# Altium PCB 6502_CPU_MainBoard_PCB_V1_2_x.PcbDoc (part 2 of 4) (continued)
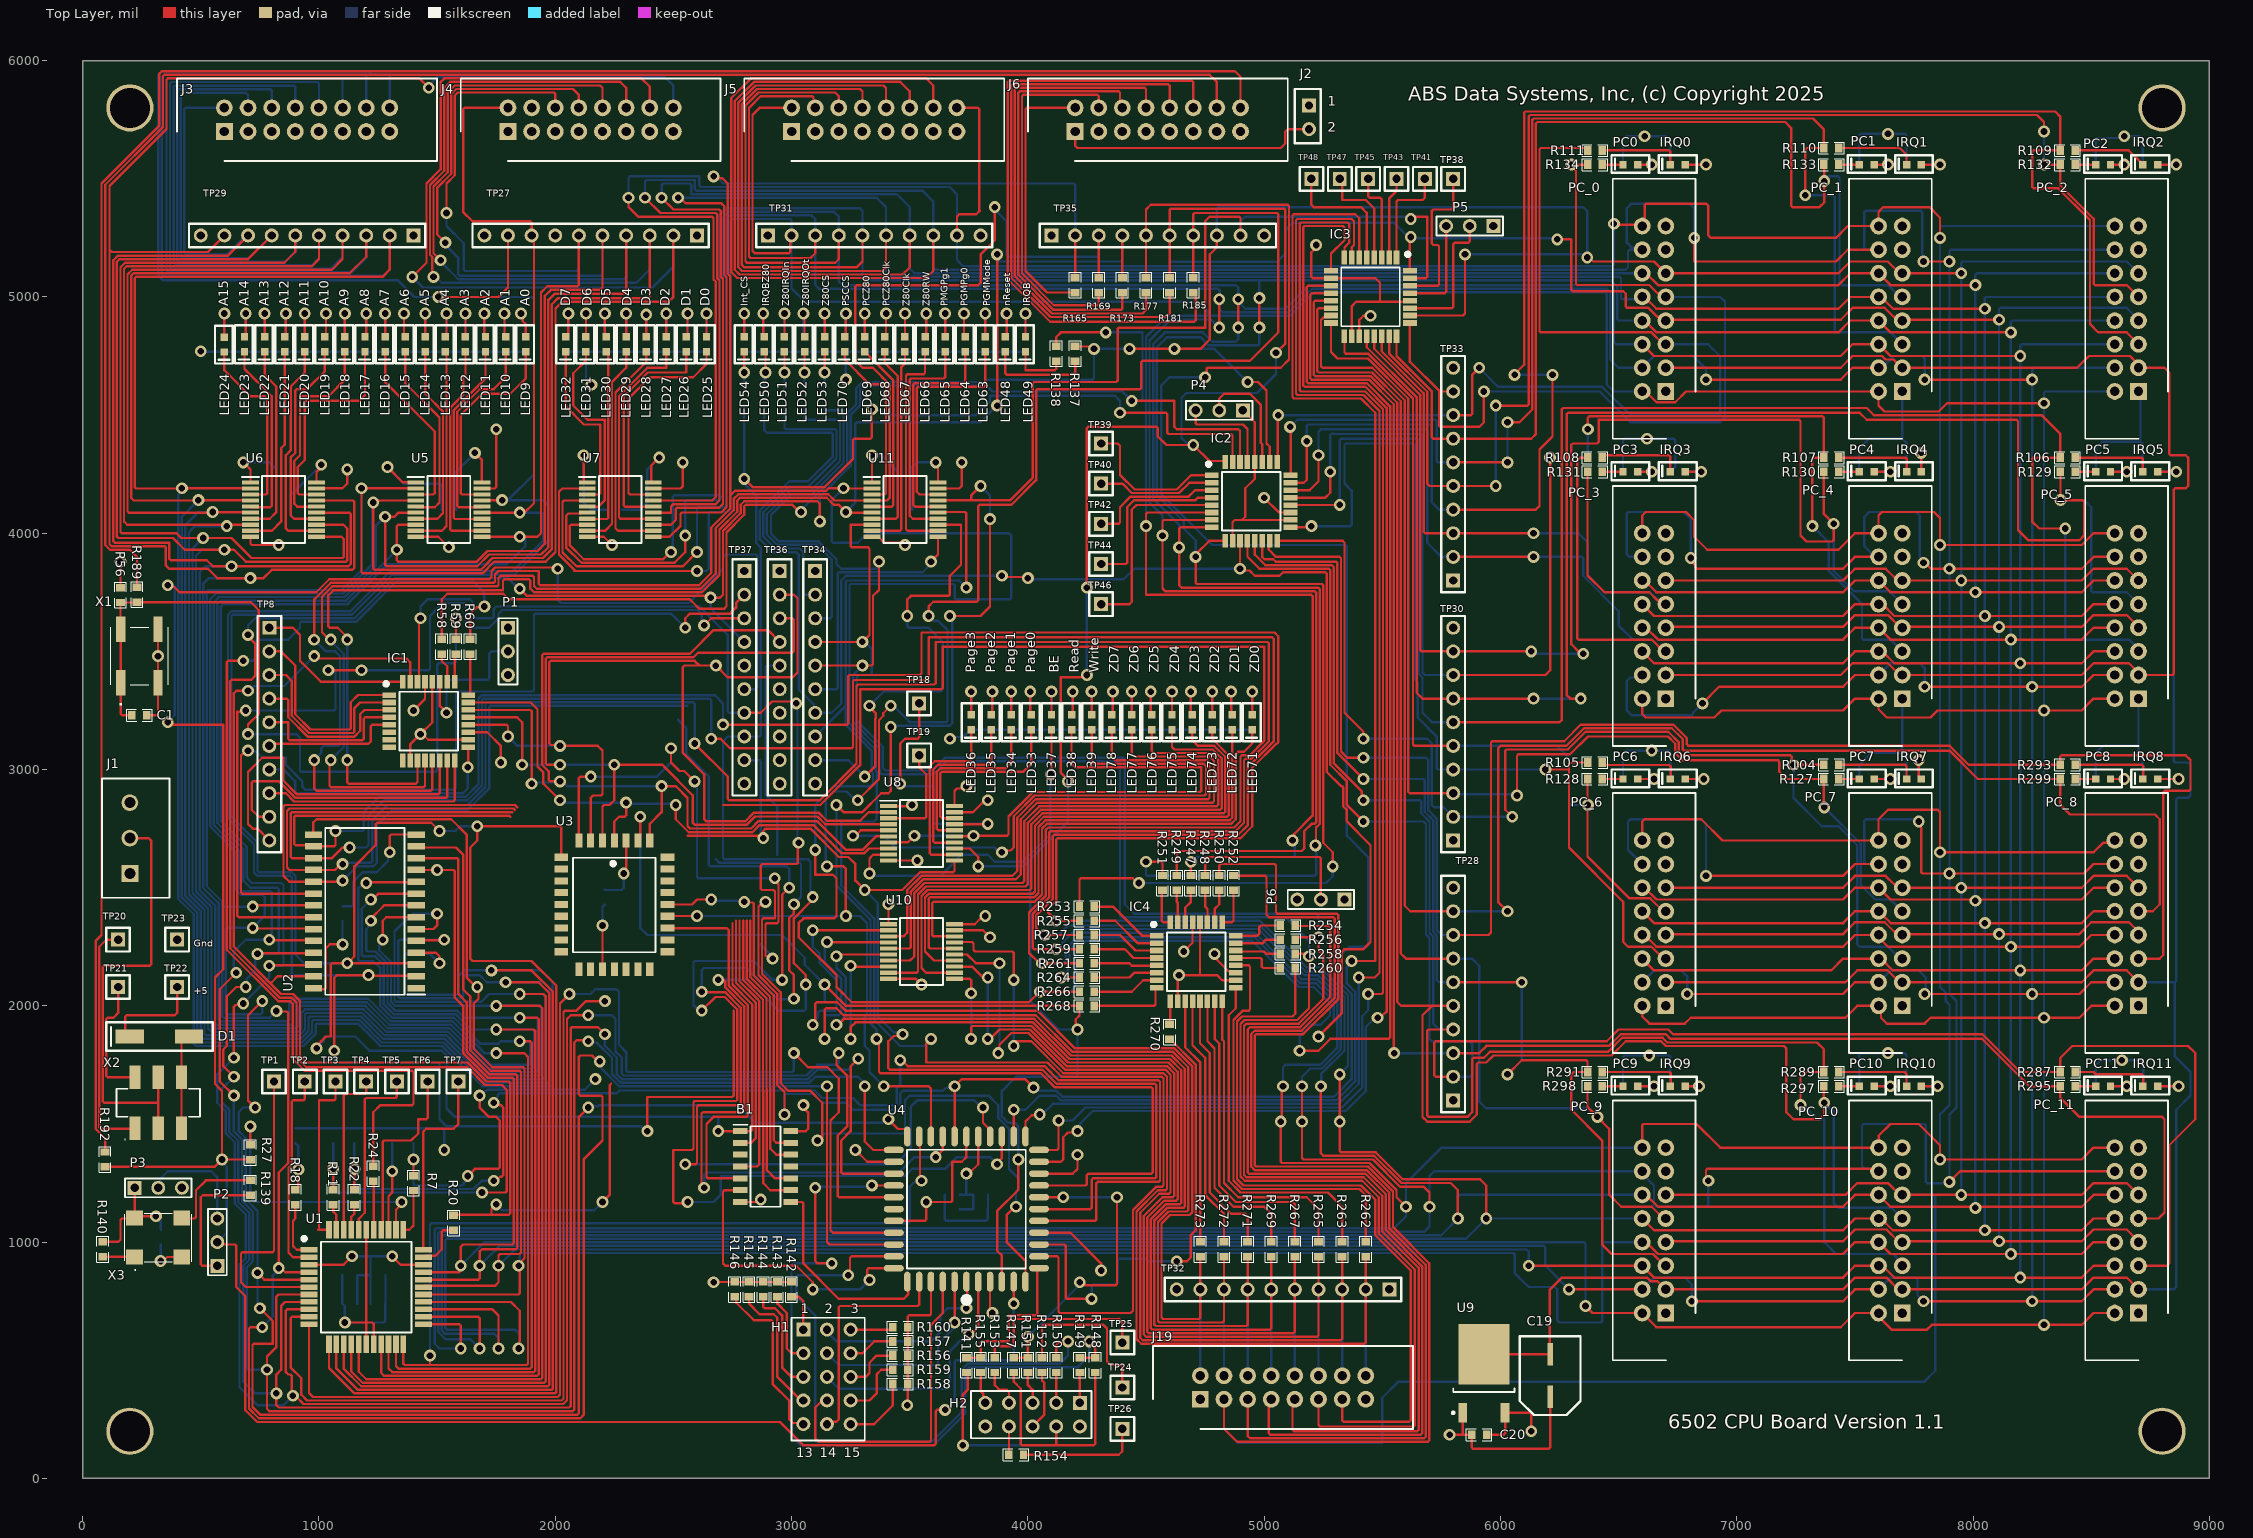
[diagram p0: Top Layer view]
## Nets (pads, with @x,y where several pads share a name; then routed paths per layer and width w, separated by ;. In a path a pad name is that pad's centre, name@x,y a point inside that pad or via, vN(x,y) a via of type N, cw(c..) or ccw(c..) an arc to the next point about the centre after c; other vN are vias at no path point) (continued)
  Bottom Layer w10: v1(1680,900) 1764.14,984.14 6184.14,984.14 6190,978.28 6190,900 v1(6290,800) ; v1(2600,3920) 2600,4104.14 2605.86,4110 2719.14,4110 2725,4115.86 2725,5330.36 2739.64,5345 3085,5345 3100,5330 TP31.3@3100,5260 3100,5050.86 3115.86,5035 4805.5,5035 4811.36,5029.14 4811.36,5008.48 v1@4822.18,4997.65 ; v1(4570,3990) 4570,4075 4515,4130 4515,4815 4604.39,4904.39 4775.61,4904.39 v1(4810,4870) ; v1(4810,4990) 4810,4950 4825,4935 5103.79,4935 5203.79,5035 6450.36,5035 6465,5020.36 6465,4735 6500,4700 PC_0.4@6600,4700 6650,4750 6815,4750 6870,4695 v1(6870,4650) ; PC_9.4@6600,800 6650,850 6780,850 6810,820 v1(6810,750) ; PC_6.4@6600,2100 6650,2150 6765,2150 6790,2125 v1(6790,2050) ; PC_3.4@6600,3400 6589.57,3389.57 6549.57,3389.57 6534.14,3374.14 6534.14,3365.86 6535,3365 6535,3250 6555,3230 6809.14,3230 6815,3235.86 6815,3240 v1(6855,3280) ; PC_10.4@7600,800 7650,850 7759.14,850 7765,844.14 7765,775 v1(7790,750) ; PC_7.4@7600,2100 7650,2150 7770,2150 7800,2120 7800,2055 v1(7795,2050) ; PC_4.4@7600,3400 7650,3450 7775,3450 7795,3430 v1(7795,3350) ; PC_1.4@7600,4700 7615,4700 7665,4750 7785,4750 7795,4740 v1(7795,4650) ; v1(8250,750) v1(8250,2050) v1(8250,3350) v1(8250,4650) 8250,4690 8260,4700 PC_2.4@8600,4700
D2: IC2.8 J5.6 PC_0.6 PC_1.6 PC_2.6 PC_3.6 PC_4.6 PC_5.6 PC_6.6 PC_7.6 PC_8.6 PC_9.6 PC_10.6 PC_11.6 R251.1 TP31.4 U1.28 U2.13 U3.15 U7.6 | length 32874
  Top Layer w10: U2.13@1411.71,2675 1416.71,2670 1580,2670 1610,2640 1610,2070 1640,2040 1640,1812.43 1727.43,1725 1849.14,1725 1855,1719.14 1855,955.86 1849.14,950 1765.86,950 1760,944.14 v1(1760,900) 1760,830 1745,815 1447.13,815 U1.28@1442.13,810 ; U7.6@2110.24,4087.2 2106.38,4083.35 2055.35,4083.35 2046,4074 2046,3940 2111,3875 2505,3875 2550,3920 v1(2550,3990) ; TP31.4@3200,5260 3200,5160 3185,5145 2810.86,5145 2805,5150.86 2805,5810.15 2859.85,5865 3185,5865 3199.57,5850.43 3199.57,5800.43 J5.6@3200,5800 ; v1(4500,2610) 4564.14,2610 4570,2604.14 R251.1@4570,2551.5 ; IC2.8@4778.15,4024.76 4645.86,4024.76 4640,4018.91 v1(4640,3940) 4640,3780 4650,3770 5229.14,3770 5235,3764.14 5235,2769.64 5219.65,2754.29 5219.65,2681.86 v1(5216.78,2678.99) ; v1@4890,4880 v1(4890,4990) v1@4890,5000 ; v1(6120,900) PC_9.6@6600,900 6650,850 7450,850 7500,900 PC_10.6@7600,900 7616.47,900 7666.47,850 v1(8200,850) 8460,850 8510,900 PC_11.6@8600,900 ; PC_6.6@6600,2200 6650,2150 7400,2150 7450,2200 PC_7.6@7600,2200 7610,2200 7660,2150 v1(8200,2150) 8460,2150 8510,2200 PC_8.6@8600,2200 ; PC_3.6@6600,3500 6650,3450 7450,3450 7500,3500 PC_4.6@7600,3500 7616.47,3500 7666.47,3450 v1(8200,3450) 8460,3450 8510,3500 PC_5.6@8600,3500 ; PC_0.6@6600,4800 6650,4750 7440,4750 7490,4800 PC_1.6@7600,4800 7650,4750 v1(8200,4750)
  Bottom Layer w10: v1(1760,900) 1829.14,969.14 6110.86,969.14 6120,960 v1(6120,900) ; v1(2550,3990) 2550,4134.14 2555.86,4140 2690,4140 2710,4160 2710,5336.57 2733.43,5360 3180,5360 3200,5340 TP31.4@3200,5260 3200,5065.86 3215.86,5050 4880,5050 4890,5040 v1(4890,4990) 4890,4980 4920,4950 5090,4950 5190,5050 6466.57,5050 6480,5036.57 6480,4810 6490,4800 PC_0.6@6600,4800 ; v1(4500,2610) 4500,2555.86 4505.86,2550 5214.14,2550 5220,2555.86 5220,2675.77 v1(5216.78,2678.99) ; v1(4640,3940) 4640,4037.07 4530,4147.07 4530,4800 4580,4850 4740,4850 4780,4810 4880,4810 4890,4820 v1(4890,4870) ; v1(8200,850) 8200.86,850.86 8200.86,859.14 8200,860 v1(8200,2150) v1(8200,3450) v1(8200,4750) 8200,4794.14 8205.86,4800 PC_2.6@8600,4800
D3: IC2.9 J5.8 PC_0.8 PC_1.8 PC_2.8 PC_3.8 PC_4.8 PC_5.8 PC_6.8 PC_7.8 PC_8.8 PC_9.8 PC_10.8 PC_11.8 R253.1 TP31.5 U1.27 U2.15 U3.17 U7.8 | length 34410.2
  Top Layer w10: U2.15@976.67,2725 976.67,2776.67 990,2790 1560,2790 1625,2725 1625,2120 1665,2080 v1(1670,2080) 1675,2075 1675,2030 1655,2010 1655,1818.64 1733.64,1740 1864.14,1740 1870,1734.14 1870,931.57 1845,906.57 v1(1845,900) 1850,895 1850,784.36 1844.14,778.5 U1.27@1442.13,778.5 ; U7.8@2110.24,4036.02 2066.86,4036.02 2061,4030.17 2061,3950 2121,3890 2456.36,3890 2486.36,3920 v1(2490,3920) ; TP31.5@3300,5260 3300,5150 3275,5125 2800,5125 2790,5135 2790,5816.36 2853.64,5880 3289.14,5880 3300,5869.14 J5.8@3300,5800 ; R253.1@4218.5,2420 4218.5,2534.14 4224.36,2540 4444.14,2540 4464.14,2520 v1(4470,2520) ; IC2.9@4834.76,3968.15 4768.15,3968.15 4710,3910 v1(4710,3900) 4710,3790.86 4715.86,3785 5244.14,3785 5250,3779.14 5250,2690 5290,2650 v1(5290,2590) ; v1@4980,4860 v1(4980,4870) v1(4980,4995) ; PC_9.8@6600,1000 6616.47,1000 6666.47,950 7450,950 7500,1000 PC_10.8@7600,1000 7650,950 v1(8160,950) 8460,950 8510,1000 PC_11.8@8600,1000 ; PC_6.8@6600,2300 6610,2300 6660,2250 7450,2250 7500,2300 PC_7.8@7600,2300 7600,2290 7640,2250 v1(8160,2250) 8450,2250 8500,2300 PC_8.8@8600,2300 ; PC_3.8@6600,3600 6616.47,3600 6666.47,3550 7450,3550 7500,3600 PC_4.8@7600,3600 7650,3550 v1(8160,3550) 8460,3550 8510,3600 PC_5.8@8600,3600 ; PC_0.8@6600,4900 6610,4900 6660,4850 7430,4850 7480,4900 PC_1.8@7600,4900 7650,4850 v1(8160,4850)
  Bottom Layer w10: v1(1845,900) 1850,905 1850,948.28 1855.86,954.14 6054.14,954.14 6060,948.28 6060,870 6120,810 6230,810 6240,800 6240,670 6250,660 6424.14,660 6430,665.86 6430,994.14 6435.86,1000 PC_9.8@6600,1000 ; v1(2490,3920) 2497.65,3927.65 2497.65,4154.14 2503.51,4160 2688.79,4160 2695,4166.21 2695,5345 2725,5375 3289.14,5375 3300,5364.14 TP31.5@3300,5260 3300,5080.86 3310.86,5070 4980,5070 ; v1(4470,2520) 5261.72,2520 5290,2548.28 v1(5290,2590) ; v1(4710,3900) 4710,3970 4660,4020 4660,4048.79 4545,4163.79 4545,4785 4590,4830 4730,4830 4765,4795 4974.14,4795 4980,4800.86 v1(4980,4870) ; v1(4980,4995) 4980,5070 ; PC_0.8@6600,4900 6500.86,4900 6495,4905.86 6495,5042.78 6467.78,5070 4980,5070 ; v1(8160,950) v1(8160,2250) v1(8160,3550) v1(8160,4850) 8160,4894.14 8165.86,4900 PC_2.8@8600,4900
D4: J5.10 PC_0.10 PC_1.10 PC_2.10 PC_3.10 PC_4.10 PC_5.10 PC_6.10 PC_7.10 PC_8.10 PC_9.10 PC_10.10 PC_11.10 R255.1 TP31.6 U1.26 U2.16 U3.18 U7.11 | length 38566.5
  Top Layer w10: v1(1070,2740) 1070,2680.86 1064.14,2675 U2.16@976.67,2675 971.67,2680 900.86,2680 895,2685.86 895,2799.14 900.86,2805 1805,2805 1810,2800 ; U1.26@1442.13,747.01 1812.99,747.01 1850,710 1850,555 v1(1845,550) ; U7.11@2414.76,3984.84 2483.94,3984.84 2530,4030.9 2530,4081.67 2535.86,4087.53 2702.68,4087.53 2725,4109.85 2725,5082.57 2715,5092.57 2715,5384.14 2703.4,5395.74 2552.31,5395.74 2528.06,5420 v1(2520,5420) ; v1(2710,3190) 3234.14,3190 3240,3195.86 3240,3394.14 3245.86,3400 3544.14,3400 3550,3405.86 3550,3580 5044.14,3580 5060,3564.14 5060,3115.86 5054.14,3110 5052.43,3110 4950,3007.57 4950,2760 4898.79,2708.79 4125.86,2708.79 4120,2702.93 4120,2445.86 4104.14,2430 4103.64,2430 4086.82,2413.18 4086.82,2393.18 v1(4120,2360) R255.1@4218.5,2360 ; TP31.6@3400,5260 3400,5125 3385,5110 2790.86,5110 2775,5125.86 2775,5822.57 2847.43,5895 3389.14,5895 3400,5884.14 J5.10@3400,5800 ; v1(5320,1710) v1(5320,1510) 5320,1385.86 5325.86,1380 5472.43,1380 5586.82,1265.61 5914.39,1265.61 5940,1240 v1(5940,1100) ; PC_9.10@6600,1100 6650,1050 7450,1050 7500,1100 PC_10.10@7600,1100 7610,1100 7660,1050 v1(8050,1050) 8460,1050 8510,1100 PC_11.10@8600,1100 ; PC_6.10@6600,2400 6650,2350 7450,2350 7500,2400 PC_7.10@7600,2400 7616.47,2400 7616.47,2384.85 7651.32,2350 v1(8050,2350) 8460,2350 8510,2400 PC_8.10@8600,2400 ; PC_3.10@6600,3700 6650,3650 7450,3650 7500,3700 PC_4.10@7600,3700 7616.29,3700 7666.29,3650 v1(8050,3650) 8460,3650 8510,3700 PC_5.10@8600,3700 ; PC_0.10@6600,5000 6610,5000 6660,4950 7430,4950 7480,5000 PC_1.10@7600,5000 7611.21,5000 7661.21,4950 v1(8050,4950)
  Bottom Layer w10: v1(1070,2740) 1184.14,2740 1190,2745.86 1190,2820 1255,2885 1621.36,2885 1675,2938.64 1675,3300.36 1689.64,3315 2675,3315 2710,3280 v1(2710,3190) ; v1(1845,550) 1850,555 1850,610 1830,630 1540.86,630 1535,635.86 1535,1008.28 1540.86,1014.14 5854.14,1014.14 v1(5940,1100) PC_9.10@6600,1100 ; v1(2520,5420) 3360,5420 3400,5380 TP31.6@3400,5260 3400,5095.86 3410.86,5085 6504.14,5085 6510,5079.14 6510,4995.86 6515.86,4990 6590,4990 PC_0.10@6600,5000 ; v1(4120,2360) 4982.43,2360 5180.36,2162.07 5237.93,2162.07 5355,2045 5355,1745 v1(5320,1710) ; v1(8050,1050) v1(8050,2350) v1(8050,3650) v1(8050,4950) 8050,4994.14 8055.86,5000 PC_2.10@8600,5000
D5: J5.12 PC_0.12 PC_1.12 PC_2.12 PC_3.12 PC_4.12 PC_5.12 PC_6.12 PC_7.12 PC_8.12 PC_9.12 PC_10.12 PC_11.12 R257.1 TP31.7 U1.25 U2.17 U3.19 U7.13 | length 39198.4
  Top Layer w10: v1(1130,2670) 1100,2670 1055,2625 U2.17@976.67,2625 885.86,2625 880,2630.86 880,2814.14 885.86,2820 1817.57,2820 1818.79,2818.79 ; U1.25@1442.13,715.51 1734.49,715.51 1760,690 v1(1760,550) ; U7.13@2414.76,4036.02 2490,4036.02 2510,4056.02 2510,4102.53 2515.86,4108.39 2694.14,4108.39 2710,4124.24 2710,5076.36 2700,5086.36 2700,5364.14 2694.14,5370 2500,5370 v1(2450,5420) ; v1(2660,3130) 2700,3130 2740,3090 3254.14,3090 3260,3095.86 3260,3373.28 3265.86,3379.14 3574.14,3379.14 3580,3385 3580,3560 5034.14,3560 5040,3554.14 5040,3118.79 4951.21,3030 4935.86,3030 4930,3024.14 4930,2763.79 4890,2723.79 4110.86,2723.79 4105,2717.93 4105,2452.57 4035,2382.57 4035,2330 4065,2300 v1(4070,2300) R257.1@4218.5,2300 ; TP31.7@3500,5260 3500,5125 3470,5095 2780,5095 2760,5115 2760,5828.79 2841.21,5910 3460,5910 3500,5870 J5.12@3500,5800 ; v1(5240,1660) 5240,1375.86 5250.86,1365 5466.21,1365 5580.61,1250.61 5789.39,1250.61 5820,1220 v1(5820,1100) ; PC_9.12@6600,1200 6616.47,1200 6666.47,1150 7450,1150 7500,1200 PC_10.12@7600,1200 7650,1150 8460,1150 8510,1200 PC_11.12@8600,1200 ; PC_6.12@6600,2500 6610,2500 6660,2450 7450,2450 7500,2500 PC_7.12@7600,2500 7650,2450 7984.14,2450 7986.49,2447.65 8002.35,2447.65 8010,2440 8017.65,2447.65 8033.51,2447.65 8035.86,2450 8460,2450 8510,2500 PC_8.12@8600,2500 ; PC_3.12@6600,3800 6610,3800 6660,3750 7450,3750 7500,3800 PC_4.12@7600,3800 7650,3750 v1(8010,3750) 8460,3750 8510,3800 PC_5.12@8600,3800 ; PC_0.12@6600,5100 6616.47,5100 6666.47,5050 7430,5050 7480,5100 PC_1.12@7600,5100 7650,5050 v1(8010,5050)
  Bottom Layer w10: v1(1130,2670) 1200,2670 1210,2680 1210,2804.14 1275.86,2870 1627.57,2870 1690,2932.43 1690,3294.14 1695.86,3300 2654.14,3300 2660,3294.14 v1(2660,3130) ; v1(1760,550) 1760,594.14 1741.04,613.11 1533.11,613.11 1520,626.21 1520,1023.28 1525.86,1029.14 5749.14,1029.14 v1(5820,1100) 5820,1190 5830,1200 PC_9.12@6600,1200 ; v1(2450,5420) 2450,5474.14 2455.86,5480 2569.14,5480 2575,5474.14 2575,5435 3445,5435 3500,5380 TP31.7@3500,5260 3500,5120 3520,5100 PC_0.12@6600,5100 ; v1(4070,2300) 4130,2300 4170,2340 4981.21,2340 5176.82,2144.39 5234.39,2144.39 5340,2038.79 5340,1810 5241.21,1711.21 5241.21,1661.21 v1(5240,1660) ; v1@8010,1150 v1(8010,3750) v1(8010,5050) 8010,5094.14 8015.86,5100 PC_2.12@8600,5100
  other v1: 8010,1145 8010,2445
D6: J5.14 PC_0.14 PC_1.14 PC_2.14 PC_3.14 PC_4.14 PC_5.14 PC_6.14 PC_7.14 PC_8.14 PC_9.14 PC_10.14 PC_11.14 R259.1 TP31.8 U1.24 U2.18 U3.20 U7.15 | length 43704
  Top Layer w10: v1(1100,2600) 1093.43,2600 1068.43,2575 U2.18@976.67,2575 875.86,2575 865,2585.86 865,2824.14 875.86,2835 1823.79,2835 1829.39,2829.39 ; U1.24@1442.13,684.02 1674.14,684.02 1680,678.16 v1(1680,550) ; v1(2380,5420) 2445,5355 2679.14,5355 2685,5349.14 2685,5080.15 2695,5070.15 2695,4139.24 2679.14,4123.39 2500,4123.39 2490,4113.39 2490,4087.2 U7.15@2414.76,4087.2 ; v1(2590,3110) 2730,2970 2730,2875.86 2735.86,2870 3120,2870 3275,3025 3275,3354.14 3280.86,3360 3604.14,3360 3610,3365.86 3610,3540 5014.14,3540 5020,3534.14 5020,3120 4945,3045 4920.86,3045 4915,3039.14 4915,2775 4878.79,2738.79 4095.86,2738.79 4090,2732.93 4090,2458.79 4020,2388.79 4020,2245.86 4025.86,2240 v1(4120,2240) R259.1@4218.5,2240 ; TP31.8@3600,5260 3600,5110 3570,5080 2770,5080 2745,5105 2745,5841.21 2828.79,5925 3570,5925 3600,5895 J5.14@3600,5800 ; v1(5160,1660) v1(5160,1510) 5160,1355.86 5165.86,1350 5460,1350 5576.17,1233.83 5676.17,1233.83 5700,1210 v1(5700,1150) ; v1(6805,3895) 6805,3884.18 6823.75,3865.42 6823.75,3857.07 6830.82,3850 7450,3850 7500,3900 PC_4.14@7600,3900 PC_4.14@7610,3900 ; v1(6820,5250) 6820,5150 7420,5150 7470,5200 PC_1.14@7600,5200 PC_1.14@7610,5200 ; v1(6870,2550) 7450,2550 7500,2600 PC_7.14@7600,2600 PC_7.14@7612.05,2600 ; v1(6880,1260) 6880,1270.82 6870,1280.82 6870,1304.14 6875.86,1310 7590,1310 PC_10.14@7600,1300 ; v1(7770,2780) 7777.65,2772.35 7777.65,2756.49 7780,2754.14 7780,2565.86 7785.86,2560 8470,2560 8510,2600 PC_8.14@8600,2600 ; v1(7790,3875) 7796.57,3875 7821.57,3850 8460,3850 8510,3900 PC_5.14@8600,3900 ; v1(7790,5150) v1(7900,5150) ; v1(7900,1255) 7945,1300 PC_11.14@8600,1300
  Bottom Layer w10: v1(1100,2600) 1105,2605 1219.14,2605 1225,2610.86 1225,2785 1290,2850 1628.79,2850 1705,2926.21 1705,3279.14 1710.86,3285 2584.14,3285 2590,3279.14 v1(2590,3110) ; v1(1680,550) 1641.17,588.83 1536.17,588.83 1505,620 1505,1038.28 1510.86,1044.14 5678.28,1044.14 5700,1065.86 v1(5700,1150) 5700,1280 5720,1300 PC_9.14@6600,1300 6600,1290 6650,1240 6650,1160 6660,1150 6874.14,1150 6880,1155.86 v1(6880,1260) ; v1(2380,5420) 2380,5488.79 2386.21,5495 2590,5495 2590,5455.86 2595.86,5450 3554.14,5450 3600,5404.14 TP31.8@3600,5260 3600,5125.86 3610.86,5115 6529.14,5115 6540,5125.86 6540,5194.14 6545.86,5200 PC_0.14@6600,5200 6591.84,5208.16 6556.84,5208.16 6535,5230 6535,5375 6555,5395 6800,5395 6820,5375 v1(6820,5250) ; v1(4120,2240) 4205,2325 4975,2325 5170.61,2129.39 5228.18,2129.39 5324.39,2033.18 5324.39,1815.61 5243.79,1735 5195,1735 5160,1700 v1(5160,1660) ; PC_6.14@6600,2600 6540,2660 6540,2780 6550,2790 6850,2790 6870,2770 v1(6870,2550) ; PC_3.14@6600,3900 6545,3900 6535,3910 6535,4084.14 6540.86,4090 6775,4090 6805,4060 v1(6805,3895) ; PC_10.14@7600,1300 7590,1310 7540,1310 7530,1320 7530,1494.14 7535.86,1500 7794.14,1500 7800,1494.14 7800,1255.86 7805.86,1250 7900,1250 v1(7900,1255) 7900,1540 7930,1570 7930,2020 7900,2050 v1(7900,2560) v1(7900,3850) v1(7900,5150) 7900,5194.14 7905.86,5200 PC_2.14@8600,5200 ; PC_7.14@7600,2600 7545.86,2600 7540,2605.86 7540,2784.14 7545.86,2790 7744.14,2790 7746.49,2787.65 7762.35,2787.65 v1(7770,2780) ; PC_4.14@7600,3900 7585,3900 7540,3945 7540,4070 7560,4090 7759.14,4090 7775,4074.14 7775,3900.82 7790,3885.82 v1(7790,3875) ; PC_1.14@7600,5200 7545.86,5200 7540,5205.86 7540,5359.14 7545.86,5365 7779.14,5365 7785,5359.14 7785,5155 v1(7790,5150)
D7: J5.16 PC_0.16 PC_1.16 PC_2.16 PC_3.16 PC_4.16 PC_5.16 PC_6.16 PC_7.16 PC_8.16 PC_9.16 PC_10.16 PC_11.16 R261.1 TP31.9 U1.23 U2.19 U3.21 U7.17 | length 39108.8
  Top Layer w10: v1(1100,2530) 1095,2525 U2.19@976.67,2525 875,2525 850,2550 850,2844.14 855.86,2850 1830,2850 1840,2840 ; U1.23@1442.13,652.52 1594.14,652.52 1600,646.66 v1(1600,550) ; v1(2310,5420) 2310,5380 2350,5340 2664.14,5340 2670,5334.14 2670,5073.93 2680,5063.93 2680,4154.24 2664.14,4138.39 U7.17@2414.76,4138.39 ; 2710,2850 3121.21,2850 3290,3018.79 3290,3340 3634.14,3340 3640,3345.86 3640,3520 5000,3520 5000,3121.21 4938.79,3060 4905.86,3060 4900,3054.14 4900,2781.21 4873.79,2755 4086.21,2755 4075,2743.79 4075,2465 4005,2395 4005,2224.18 4049.18,2180 v1(4060,2180) R261.1@4218.5,2180 ; TP31.9@3700,5260 3700,5340 3710,5350 3781.72,5350 3795.86,5364.14 3795,5365 3795,5794.14 3789.14,5800 J5.16@3700,5800 ; v1(5080,1660) 5075,1655 5075,1515 v1(5070,1510) 5070,1340.86 5075.86,1335 5446.21,1335 5560,1221.21 5560,1190 v1(5600,1150) ; v1(6480,5310) 6485,5305 6595,5305 PC_0.16@6600,5300 6610.43,5310.43 6610.43,5389.14 6616.29,5395 6870,5395 6880,5385 6880,5260 6890,5250 7420,5250 7470,5300 PC_1.16@7600,5300 7600,5360 7620,5380 7815,5380 7860,5335 v1(7860,5250) ; PC_9.16@6600,1400 6600,1494.14 6605.86,1500 6830,1500 6930,1400 PC_10.16@7600,1400 7600.43,1400.43 7600.43,1450.43 7650,1500 7770,1500 7860,1410 v1(7860,1350) 8460,1350 8510,1400 PC_11.16@8600,1400 ; PC_6.16@6600,2700 6600,2780 6610,2790 6850,2790 6940,2700 PC_7.16@7600,2700 7600,2790 7640,2830 7850,2830 7860,2820 v1(7860,2650) 8510,2650 8549.57,2689.57 8589.57,2689.57 PC_8.16@8600,2700 ; PC_3.16@6600,4000 6600,4075 6615,4090 6785,4090 6820,4055 6820,3985 6875,3930 7430,3930 7500,4000 PC_4.16@7600,4000 7600,4075 7615,4090 7834.14,4090 7860,4064.14 v1(7860,3950) 8460,3950 8510,4000 PC_5.16@8600,4000
  Bottom Layer w10: v1(1100,2530) 1160,2590 1230,2590 1245,2605 1245,2765 1310,2830 1630,2830 1720,2920 1720,3264.14 1725.86,3270 2560,3270 ; v1(1600,550) 1510,550 1490,570 1490,1053.28 1495.86,1059.14 5549.14,1059.14 5600,1110 v1(5600,1150) 5600,1250 5750,1400 PC_9.16@6600,1400 ; v1(2310,5420) 2310,5504.14 2315.86,5510 2610,5510 2610,5470.86 2615.86,5465 3669.14,5465 3700,5434.14 TP31.9@3700,5260 3700,5155.86 3725.86,5130 6474.14,5130 6480,5135.86 v1(6480,5310) ; v1(4060,2180) 4148.79,2180 4160,2191.21 4160,2240 4230,2310 4960,2310 5156.82,2113.18 5223.18,2113.18 5308.79,2027.57 5308.79,1821.21 5237.57,1750 5090,1750 5080,1740 v1(5080,1660) ; v1(7860,1350) 7860,1540 7900,1580 7900,2005 7885,2020 7885,2055.26 7860,2080.26 v1(7860,2650) v1(7860,3950) v1(7860,5250) 7860,5294.14 7865.86,5300 PC_2.16@8600,5300
External_System_Clock: P2.3 P3.2 | length 481.4
  Bottom Layer w10: P3.2@320,1230 326.49,1236.49 326.49,1266.49 360,1300 544.14,1300 570,1274.14 P2.3@570,1100
GCLK1_I: H1.11 U4.43 | length 1383.7
  Top Layer w10: H1.11@3150,330 3140.61,320.61 3120.61,320.61 3100,300 3100,170 3115,155 3584.14,155 3590,160.86 3590,650 3640,700 U4.43@3640,832.8
GCLK2_OE2_I: H1.8 U4.2 | length 1051.5
  Top Layer w10: v1(3750,610) 3760,610 3790,640 U4.2@3790,832.8
  Bottom Layer w10: H1.8@3150,430 3200,380 3664.14,380 3670,385.86 3670,540 3740,610 v1(3750,610)
GCLK3_I_O: H1.14 U4.41 | length 974.2
  Top Layer w10: H1.14@3150,230 3159.39,239.39 3189.39,239.39 3200,250 3200,724.14 3205.86,730 3534.14,730 3540,735.86 U4.41@3540,832.8
GCLR_I: H1.2 U4.1 | length 842.5
  Top Layer w10: U4.1@3740,832.8 3743.36,829.44 3743.36,726.64 v1@3750,720
  Bottom Layer w10: H1.2@3150,630 3150,620 3190,580 3590,580 3630,620 3630,690 3660,720 v1@3750,720
  other v1: 3740,720
GND: B1.7 C1.1 C2.2 C3.2 C4.2 C5.2 C6.2 C7.2 C8.2 C9.2 C10.2 C11.2 C12.2 C13.2 C14.2 C15.2 C16.2 C17.2 C18.2 C19.2 C20.2 H2.2 H2.10 IC1.19 IC1.29 IC2.19 IC2.29 IC3.19 IC3.29 IC4.19 IC4.29 J1.1 J1.3 J3.1 J3.3 J3.5 J3.7 J3.9 J3.11 J3.13 J3.15 J4.1 J4.3 J4.5 J4.7 J4.9 J4.11 J4.13 J4.15 J5.1 J5.3 J5.5 J5.7 J5.9 J5.11 J5.13 J5.15 J6.3 J6.5 J6.7 J6.9 J6.11 J6.13 J6.15 J19.15 P1.3 P3.3 P4.3 P5.3 P6.3 PC_0.13 PC_0.15 PC_1.13 PC_1.15 PC_2.13 PC_2.15 PC_3.13 PC_3.15 PC_4.13 PC_4.15 PC_5.13 PC_5.15 PC_6.13 PC_6.15 PC_7.13 PC_7.15 PC_8.13 PC_8.15 PC_9.13 PC_9.15 PC_10.13 PC_10.15 PC_11.13 PC_11.15 R156.2 R157.2 R158.2 R159.2 R160.2 TP23.1 TP27.1 TP27.10 TP28.1 TP28.10 TP29.1 TP29.10 TP30.1 TP30.10 TP31.1 TP31.10 TP32.1 TP32.10 TP33.1 TP33.10 TP34.1 TP34.10 TP35.1 TP35.10 TP36.1 TP36.10 TP37.1 TP37.10 U1.17 U1.18 U1.39 U2.14 U3.16 U4.10 U4.22 U4.30 U4.42 U5.1 U5.10 U5.19 U6.1 U6.10 U6.19 U7.1 U7.10 U7.19 U8.1 U8.10 U8.19 U9.1 U10.1 U10.10 U10.19 U11.1 U11.10 U11.19 X1.3 X1.4 X3.2 | length 11072.3
  Top Layer w10: C1.1@271.5,3230 312.88,3230 318.74,3235.86 X1.3@318.74,3366.81 v1(318.74,3480) X1.4@318.74,3593.19 ; v1(330,920) 340.82,920 358.15,937.32 X3.2@420,937.32 ; v1(680,4300) 680,4295.86 685.86,4290 690,4290 710.24,4269.76 U6.1@710.24,4215.16 ; U6.10@710.24,3984.84 710.24,3955.86 716.09,3950 v1(830,3950) ; U6.19@989.76,4189.57 990.2,4190 1100,4190 1120,4210 v1(1120,4270) ; v1(1110,660) 1200,660 ; U1.17@1200,567.87 1200,660 ; U1.39@1200,1052.13 1200,660 ; U1.18@1231.5,567.87 1231.5,654.14 1225.64,660 1200,660 ; v1(1290,4280) 1354.84,4215.16 U5.1@1410.24,4215.16 ; v1(1300,2650) 1300,2719.14 1305.86,2725 U2.14@1411.71,2725 ; v1(1400,3250) 1448.74,3298.74 IC1.29@1448.74,3371.85 ; U5.10@1410.24,3984.84 1505.16,3984.84 1549.39,3940.61 v1(1550,3940.61) ; IC1.19@1631.34,3157.76 1712.24,3157.76 1770,3100 v1(1770,3030) ; U5.19@1689.76,4189.57 1744.14,4189.57 1750,4195.42 v1(1750,4440) ; U7.10@2110.24,3984.84 2205.16,3984.84 v1(2240,3950) ; U7.1@2110.24,4215.16 2116.14,4215.16 2120,4219.02 v1(2120,4330) ; U3.16@2200,2155 v1(2200,2340) ; U7.19@2389.76,4189.57 2529.57,4189.57 2540,4200 v1(2540,4300) ; B1.7@2783.23,1170 2849.18,1170 2859.18,1180 v1(2870,1180) ; v1(3270,1390) 3320,1340 U4.30@3432.79,1340 ; v1(3340,4330) 3340.24,4329.76 U11.1@3340.24,4215.16 ; U11.10@3340.24,3984.84 3366.81,3984.84 3391.65,3960 3474.14,3960 3480,3954.14 v1(3480,3950) ; v1(3410,2430) 3410.24,2429.76 U10.1@3410.24,2345.16 ; U10.10@3410.24,2114.84 3525.16,2114.84 v1(3550,2090) ; U8.10@3410.24,2614.84 v1(3532.73,2614.84) ; U8.1@3410.24,2845.16 3505.16,2845.16 v1(3510,2850) ; v1(3490,310) 3490,330 3491.5,331.5 R158.2@3491.5,400 R159.2@3491.5,460 R156.2@3491.5,520 R157.2@3491.5,580 R160.2@3491.5,640 3491.5,684.14 3497.35,690 3584.14,690 3590,695.86 U4.42@3590,832.8 ; U11.19@3619.76,4189.57 3709.57,4189.57 3720,4200 v1(3720,4300) ; U10.19@3689.76,2319.57 3810.43,2319.57 v1(3840,2290) ; U8.19@3689.76,2819.57 3767.85,2819.57 3805.86,2857.57 3806.75,2857.57 3819.18,2870 v1(3830,2870) ; v1(3740,1290) 3750,1290 3790,1330 U4.22@3790,1447.2 ; U4.10@4047.2,1040 4180,1040 4310,910 v1(4310,880) ; v1(4660,2230) 4697.01,2267.01 IC4.29@4697.01,2353.7 ; P4.3@4710,4520 4710,4465.86 4715.86,4460 4910,4460 4929.25,4440.75 IC2.29@4929.25,4301.85 ; v1(4790,2220) 4790,2205.72 4849.3,2146.42 4872.8,2146.42 IC4.19@4879.61,2139.61 ; v1(5000,4150) 5062.24,4087.76 IC2.19@5111.85,4087.76 ; IC3.19@5402.76,4833.15 5402.76,4902.76 5420,4920 v1(5450,4920) ; IC3.29@5616.85,5015.75 5764.14,5015.75 5770,5021.61 P5.3@5770,5300 ; v1(5785,185) 5846.09,185 ; U9.1@5840.24,277.68 5840.24,190.86 5846.09,185 ; C19.2@6210,346 6210,130.86 6204.14,125 5884.36,125 5878.5,130.86 C20.2@5878.5,185 5846.09,185
  Bottom Layer w10: v1(330,920) C18.2@330,988.5 ; v1(680,4300) 790,4300 818.5,4271.5 C3.2@818.5,4100 ; v1(830,3950) v1@830,3960.82 ; C6.2@1098.5,860 C7.2@1098.5,800 C8.2@1098.5,740 1109.25,729.25 1109.25,660.75 v1(1110,660) 1274.14,660 1280,665.86 1280,738.5 C11.2@1281.5,740 C10.2@1281.5,800 C9.2@1281.5,860 ; C16.2@1100,2421.5 1139.14,2421.5 1145,2427.35 1145,2515 1144.14,2515.86 1144.14,2524.14 1185,2565 1245,2565 1292.35,2612.35 1292.35,2642.35 v1(1300,2650) ; v1(1290,4280) 1360,4210 1510,4210 1518.5,4201.5 C2.2@1518.5,4100 ; v1(2120,4330) 2120,4130 2150,4100 C4.2@2218.5,4100 ; v1(2200,2340) 2200,2418.5 C17.2@2210,2428.5 ; v1(3340,4330) 3380,4330 3448.5,4261.5 C5.2@3448.5,4100 ; C15.2@3711.5,1140 C13.2@3768.5,1140 C12.2@3768.5,1200 3740,1200 ; C14.2@3711.5,1200 3740,1200 ; v1(3740,1290) 3740,1200 ; v1(4660,2230) v1@4670,2220
Int_Cntrl_CS: IC2.31 R296.1 TP37.8 U4.25 | length 8496.3
  Top Layer w10: v1(2630,1230) 2630,1240.82 2619.18,1251.65 2619.18,1544.14 2625.03,1550 2794.14,1550 2800,1555.86 2800,1997.57 2720,2077.57 2720,2104.14 2714.14,2110 v1(2690,2110) ; v1(2800,4230) 2835,4195 3140.43,4195 3260,4314.57 3260,4394.14 3265.86,4400 3334.14,4400 3340,4405.86 v1(3340,4525) ; v1(3060,2090) 3060,2130 3010,2180 3010,2370 3090,2450 v1(3090,2460) ; v1(3610,1360) 3640,1390 U4.25@3640,1447.2 ; v1(4390,4510) 4584.14,4510 4590,4504.14 4590,4425.86 4595.86,4420 4860.4,4420 4866.26,4414.14 IC2.31@4866.26,4301.85
  Bottom Layer w10: v1(2630,1230) 2630,1285 2640,1295 3455,1295 3520,1360 v1(3610,1360) ; v1(2690,2110) 2815.41,2110 2945.41,1980 3054.14,1980 3060,1985.86 v1(3060,2090) ; R296.1@2800,4528.5 v1(2800,4230) 2807.65,4222.35 2807.65,4202.35 2850,4160 2850,3960 2870,3940 2870,3145.86 2864.14,3140 TP37.8@2800,3140 2730,3140 2710,3120 2710,2625.86 2715.86,2620 3070,2620 3080,2610 3080,2465.86 3085.86,2460 v1(3090,2460) ; v1(3340,4525) 3345,4520 3380,4520 3400,4500 3780,4500 3840,4560 3840,4582.35 4367.65,4582.35 4390,4560 v1(4390,4510)
INT_UPDI: IC2.27 P4.2 | length 498.1
  Top Layer w10: P4.2@4810,4520 4810,4570 4830,4590 4940,4590 4985,4545 4985,4383.79 4992.24,4376.54 IC2.27@4992.24,4301.85
IRQB: IC2.30 R3.1 R11.1 R138.1 TP37.4 | length 10959.4
  Top Layer w10: v1(700,3570) 700,3563.43 730,3533.43 730,3395.86 714.14,3380 630.86,3380 625,3374.14 625,2243.79 833.79,2035 883.79,2035 905,2013.79 905,1781.21 946.21,1740 1627.57,1740 1702.57,1665 1774.14,1665 1795,1644.14 1795,1215.86 1789.14,1210 v1(1690,1210) ; R11.1@1060,1221.5 v1(1060,1310) ; v1(1850,3765) 1880,3735 2650,3735 v1(2657.5,3727.5) 2697.5,3727.5 2710,3740 2710,4010 2785,4085 2785,4120.36 2799.64,4135 3109.14,4135 3120,4124.14 v1(3120,4050) ; R138.1@4120,4791.5 4120,4830 4140,4850 v1(4330,4850) ; v1(4440,4560) 4620,4560 4620,4450 4630,4440 4890,4440 4897.76,4432.24 IC2.30@4897.76,4301.85
  Bottom Layer w10: v1(700,3570) 700,3610 730,3640 1150,3640 1319.53,3809.53 1800.47,3809.53 1845,3765 v1(1850,3765) ; R3.1@1060,1418.5 v1(1060,1310) 1060,1215.86 1065.86,1210 v1(1690,1210) ; v1(2657.5,3727.5) 2657.5,3682.5 TP37.4@2800,3540 ; v1(3120,4050) 3120,4155.86 3250,4285.86 3250,4500 3290,4540 3290,4608.79 3306.21,4625 3825,4625 3850,4600 4400,4600 v1(4440,4560) 4485,4560 4485,4850 v1(4330,4850)
IRQB0: IC2.25 PC_0.5 R111.1 TP33.8 | length 4365
  Top Layer w10: IC2.25@5055.24,4301.85 5057.62,4304.23 5057.62,4497.62 v1(5060,4500) ; TP33.8@5800,4500 5874.14,4500 5880,4505.86 5880,4670 v1(5910,4700) ; R111.1@6368.5,5620 6358.5,5630 6170.86,5630 6165,5624.14 6165,4855.86 6170.86,4850 6638.68,4850 6688.68,4800 PC_0.5@6700,4800
  Bottom Layer w10: v1(5060,4500) TP33.8@5800,4500 ; v1(5910,4700) 5990,4620 6430,4620 6550,4500 6924.14,4500 6930,4505.86 6930,4748.79 6878.79,4800 PC_0.5@6700,4800
IRQB1: IC2.24 PC_1.5 R110.1 TP33.6 | length 5445.6
  Top Layer w10: v1(5110,4450) 5111.85,4448.15 IC2.24@5111.85,4245.24 ; TP33.6@5800,4300 v1(6030,4300) ; v1(6030,4470) 6080,4470 6135,4525 6135,5749.14 6140.86,5755 7322.01,5755 7368.5,5708.5 R110.1@7368.5,5630 7295.86,5630 7290,5624.14 v1(7290,5430)
  Bottom Layer w10: v1(5110,4450) 5140,4480 5724.14,4480 5730,4474.14 5730,4305.86 5735.86,4300 TP33.6@5800,4300 ; v1(6030,4300) v1(6030,4470) ; v1(7290,5430) 7408.28,5430 7414.14,5424.14 7414.14,4855.86 7420,4850 7650,4850 PC_1.5@7700,4800
IRQB2: IC2.23 PC_2.5 R109.1 TP33.4 | length 7173.6
  Top Layer w10: IC2.23@5111.85,4213.74 5167.88,4213.74 5180,4225.86 v1(5180,4390) ; TP33.4@5800,4100 6149.22,4100 6165,4115.78 6165,4355 6220,4410 v1(6220,4670) ; v1(6060,4670) 6060,4673.06 6100,4713.06 6100,5779.14 6105.86,5785 8347.65,5785 8368.5,5764.14 R109.1@8368.5,5620 8255.86,5620 8250,5614.14 8250,5465.86 8255.86,5460 8360,5460 8495,5325 8495,4885 8530,4850 8650,4850 PC_2.5@8700,4800
  Bottom Layer w10: v1(5180,4390) 5180,4454.14 5185.86,4460 5704.14,4460 5710,4454.14 5710,4130 5740,4100 TP33.4@5800,4100 ; v1(6060,4670) v1(6220,4670)